# Altium PCB Kasli-DIOT.PCBDOC (part 21 of 21)
Units mm, origin at the board's own origin, x right, y up, seen from the top; angles counter-clockwise.
Board outline 222.34 x 100 mm, 10 copper layers (TopLayer, Layer 2, Layer 3, Layer 4, Layer 5, Layer 6, Layer 7, layer 8, Layer 9, BottomLayer), stack 1.564 mm thick; 974 components, 908 nets, 4662 pads, 2649 vias.
Unrouted connection lines stored in the file: 17.
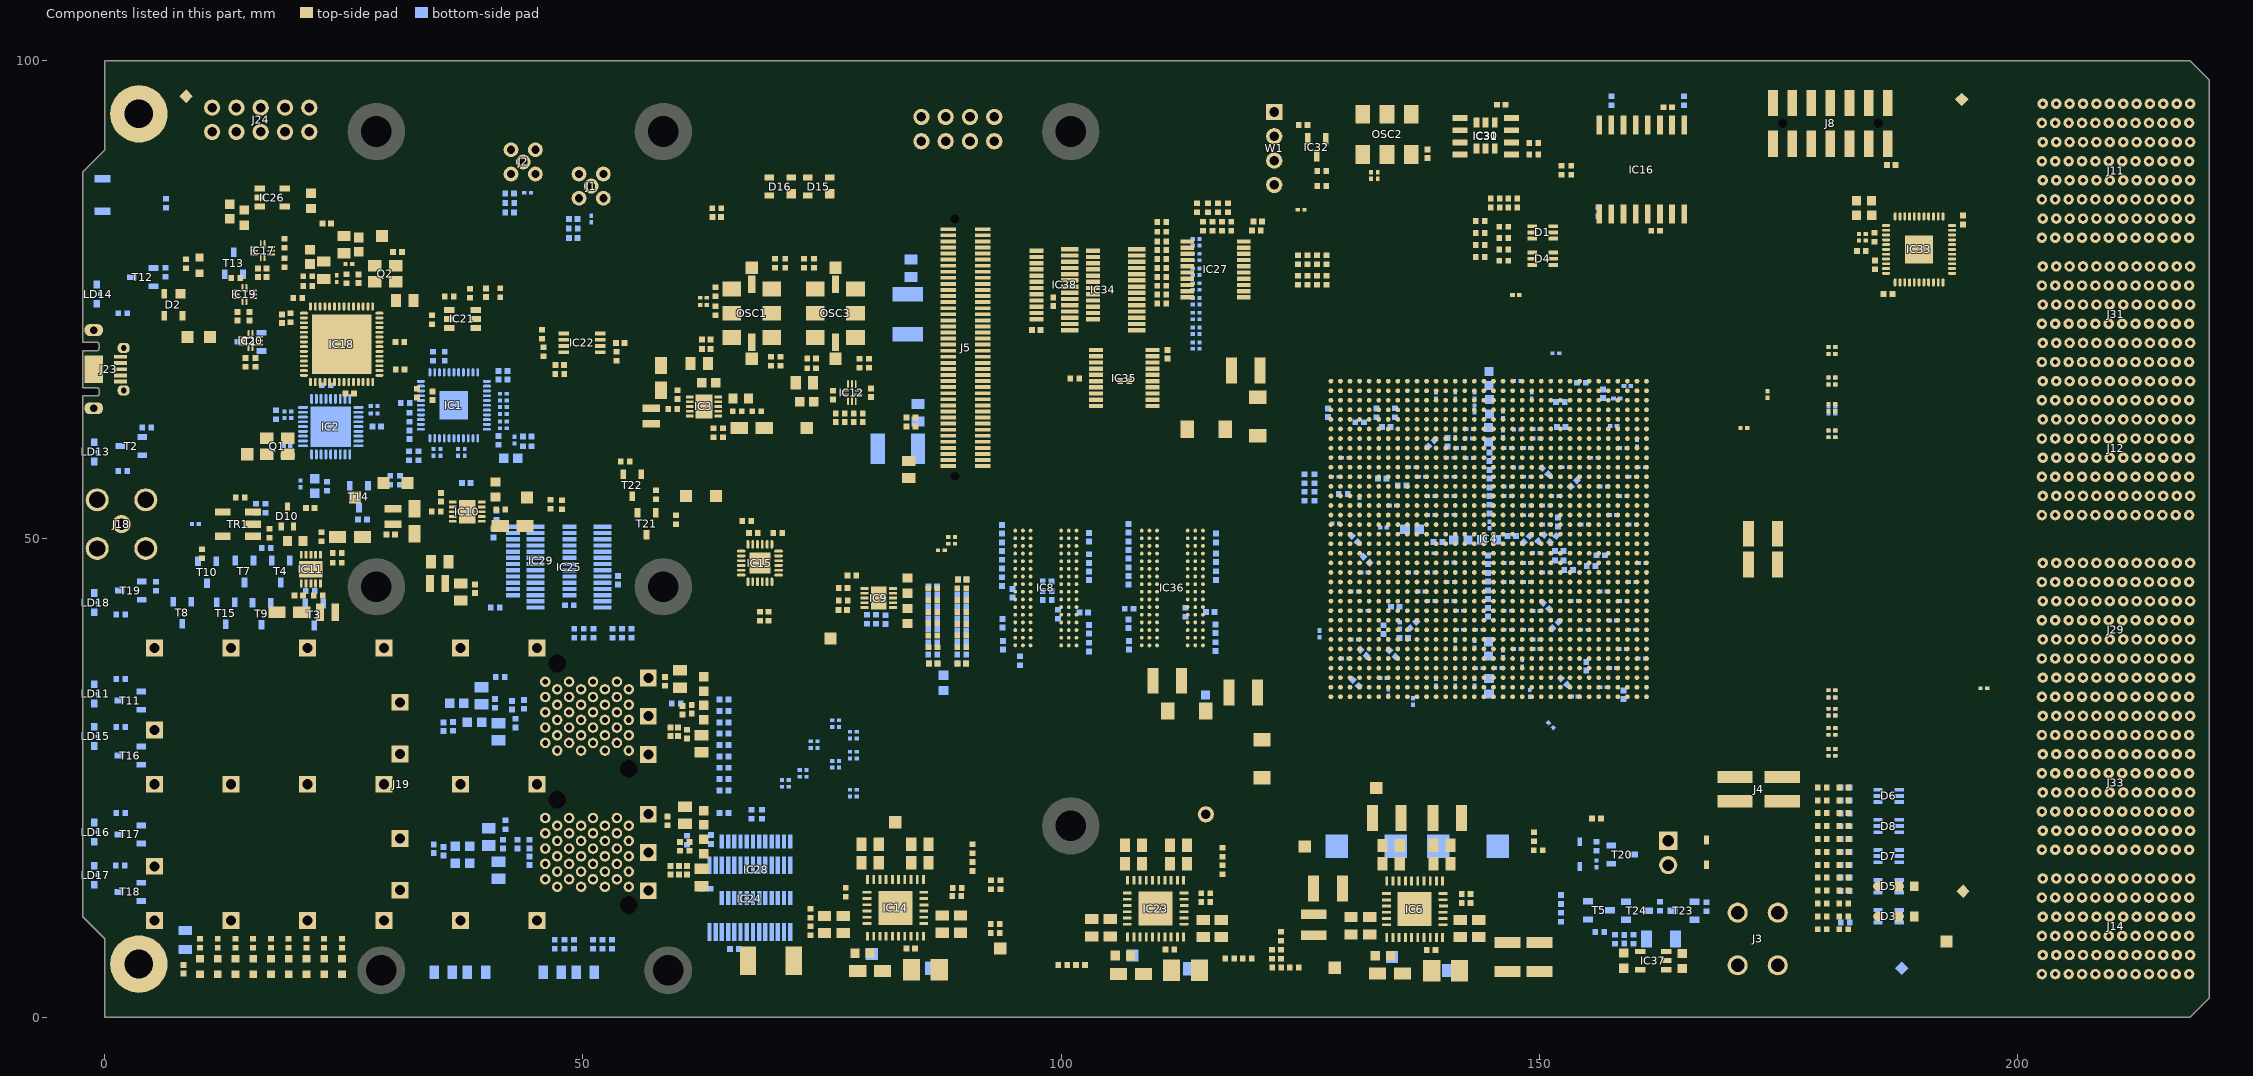
[diagram p29: the components of this part, seen from the top]

## Polygon pours and split planes (outlines as drawn) (continued)
P12V0 on Layer 6 "P12V0_L06_P444" (solid, pour order 444): 90.425,7.1 91.65,8.325 152.875,8.325 153.175,8.025 153.175,6.625 90.55,6.625 90.425,6.75
P5V0_CLK on Layer 6 "P5V0_CLK_L06_P409" (solid, pour order 409): 90.375,7.48 90.375,15.025 79.125,15.025 79.125,7.38
VCCBRAM on Layer 6 "VCCBRAM_L06_P443" (solid, remove dead copper, pour order 443): 149.7,57 149.7,54 151.725,54 151.725,37.562 152.65,36.175 152.65,9.225 152.05,8.625 145.025,8.625 143.7,9.95 143.7,57
no net on Layer 3 "Copper_balancing" (solid, pour order 452): 0,98 220.039,98 220.039,2.575 0,2.575 0,8.2 -2.3,10.5 -2.3,88.375 0,90.675
VCCAUX on Layer 3 "VCCAUX_L03_P432" (solid, pour order 432): 137.7,41.975 140.7,41.975 140.7,53 137.7,53
MGTAVTT_G10 on Layer 3 "MGTAVTT_G10_L03_P425" (solid, pour order 425): 138.7,38.325 138.7,33 151.75,33 151.75,38.375
no net on Layer 5 "Copper_balancing" (solid, pour order 453): 0,98.675 219.364,98.675 220.039,98 220.039,2.575 0,2.575 0,8.2 -2.3,10.5 -2.3,88.375 0,90.675
MGTAVTT_G11 on Layer 5 "MGTAVTT_G11_L05_P433" (solid, pour order 433): 138.7,67 138.7,61 150.7,61 150.556,61.144 150.556,67.022
P2V5 on Layer 2 (split plane): 170 vertices, not listed, extent -1.79,0.51 219.528,99.489
P1V5 on Layer 2 (split plane): 123.07,53.188 123.103,53.166 123.142,53.158 135.751,53.158 137.223,51.686 137.223,47.499 136.981,47.257 136.959,47.224 136.951,47.185 136.951,44.395 136.951,43.896 135.199,42.144 135.177,42.11 135.169,42.071 135.169,40.064 135.003,39.897 134.981,39.864 134.973,39.825 134.973,37.817 134.258,37.102 127.625,37.102 127.586,37.094 127.553,37.072 126.158,35.677 112.15,35.677 82.792,35.677 79.577,38.892 79.577,44.333 83.302,48.058 90.235,48.058 90.274,48.066 90.307,48.088 95.417,53.198 108.4,53.198 108.439,53.206 108.472,53.228 110.992,55.748 120.51,55.748
P12V0 on Layer 2 (split plane): 176.798,12.216 176.798,6.9 176.805,6.848 176.825,6.799 176.857,6.757 177.282,6.332 177.324,6.3 177.373,6.28 177.425,6.273 219.528,6.273 219.528,2.211 217.828,0.51 69.602,0.51 69.602,6.491 71.984,8.873 143.25,8.873 143.302,8.88 143.351,8.9 143.393,8.932 151.754,17.293 171.721,17.293
MGTAVTT_G10 on Layer 2 (split plane): 149.97,38.261 149.97,38.061 149.973,38.045 149.973,35.102 146.05,35.102 146.011,35.094 145.978,35.072 139.983,29.077 117.867,29.077 117.527,29.417 117.527,30.233 119.017,31.723 136.2,31.723 136.239,31.731 136.272,31.753 138.747,34.228 138.769,34.261 138.777,34.3 138.777,35.528 139.47,36.221 147.023,36.221 147.062,36.229 147.095,36.251 149.117,38.273 149.958,38.273
MGTAVCC_G11 on Layer 2 (split plane): 149.598,61.958 149.598,60.042 148.658,59.102 139.292,59.102 138.997,59.397 138.964,59.419 138.925,59.427 116.992,59.427 115.752,60.667 115.752,62.233 117.017,63.498 148.058,63.498
MGTAVCC_G10 on Layer 2 (split plane): 146.257,40.978 146.29,40.956 146.329,40.948 149.97,40.948 149.97,38.477 149.075,38.477 149.036,38.469 149.003,38.447 146.981,36.425 139.428,36.425 139.389,36.417 139.356,36.395 138.603,35.642 138.581,35.609 138.573,35.57 138.573,34.342 136.158,31.927 118.975,31.927 118.936,31.919 118.903,31.897 117.383,30.377 113.367,30.377 112.252,31.492 112.252,35.473 126.2,35.473 126.239,35.481 126.272,35.503 127.667,36.898 134.3,36.898 134.339,36.906 134.372,36.928 135.147,37.703 135.169,37.736 135.177,37.775 135.177,39.783 135.344,39.949 135.366,39.982 135.373,40.021 135.373,40.586 138.56,40.586 138.599,40.594 138.632,40.616 139.048,41.032 146.202,41.032
GND on Layer 4 (split plane): 219.528,97.789 219.528,2.211 217.828,0.51 0.51,0.51 0.51,8.2 0.501,8.3 0.472,8.395 0.424,8.484 0.361,8.561 -1.79,10.711 -1.79,64.439 -0.76,64.439 -0.661,64.449 -0.603,64.467 -0.565,64.478 -0.491,64.509 -0.48,64.515 -0.403,64.556 -0.386,64.57 -0.326,64.619 -0.27,64.676 -0.217,64.74 -0.206,64.753 -0.186,64.791 -0.159,64.841 -0.128,64.915 -0.099,65.011 -0.093,65.074 -0.09,65.11 -0.09,65.15 -0.09,65.6 -0.09,65.64 -0.093,65.675 -0.099,65.739 -0.128,65.835 -0.159,65.909 -0.186,65.959 -0.206,65.997 -0.217,66.01 -0.27,66.074 -0.326,66.13 -0.376,66.172 -0.403,66.194 -0.441,66.214 -0.491,66.241 -0.565,66.272 -0.632,66.292 -0.661,66.301 -0.724,66.307 -0.76,66.31 -1.79,66.31 -1.79,69.189 -0.76,69.189 -0.661,69.199 -0.603,69.217 -0.565,69.228 -0.491,69.259 -0.48,69.265 -0.403,69.306 -0.386,69.32 -0.326,69.369 -0.27,69.426 -0.217,69.49 -0.206,69.503 -0.186,69.541 -0.159,69.591 -0.128,69.665 -0.099,69.761 -0.093,69.824 -0.09,69.86 -0.09,69.9 -0.09,70.35 -0.09,70.39 -0.093,70.425 -0.099,70.489 -0.128,70.585 -0.159,70.659 -0.186,70.709 -0.206,70.747 -0.217,70.76 -0.27,70.824 -0.326,70.88 -0.376,70.922 -0.403,70.944 -0.441,70.964 -0.491,70.991 -0.565,71.022 -0.632,71.042 -0.661,71.051 -0.724,71.057 -0.76,71.06 -1.79,71.06 -1.79,88.164 0.361,90.314 0.424,90.391 0.472,90.48 0.501,90.575 0.51,90.675 0.51,99.489 217.828,99.489
GND on Layer 9 (split plane): 219.528,97.789 219.528,2.211 217.828,0.51 0.51,0.51 0.51,8.2 0.501,8.3 0.472,8.395 0.424,8.484 0.361,8.561 -1.79,10.711 -1.79,64.439 -0.76,64.439 -0.661,64.449 -0.603,64.467 -0.565,64.478 -0.491,64.509 -0.48,64.515 -0.403,64.556 -0.386,64.57 -0.326,64.619 -0.27,64.676 -0.217,64.74 -0.206,64.753 -0.186,64.791 -0.159,64.841 -0.128,64.915 -0.099,65.011 -0.093,65.074 -0.09,65.11 -0.09,65.15 -0.09,65.6 -0.09,65.64 -0.093,65.675 -0.099,65.739 -0.128,65.835 -0.159,65.909 -0.186,65.959 -0.206,65.997 -0.217,66.01 -0.27,66.074 -0.326,66.13 -0.376,66.172 -0.403,66.194 -0.441,66.214 -0.491,66.241 -0.565,66.272 -0.632,66.292 -0.661,66.301 -0.724,66.307 -0.76,66.31 -1.79,66.31 -1.79,69.189 -0.76,69.189 -0.661,69.199 -0.603,69.217 -0.565,69.228 -0.491,69.259 -0.48,69.265 -0.403,69.306 -0.386,69.32 -0.326,69.369 -0.27,69.426 -0.217,69.49 -0.206,69.503 -0.186,69.541 -0.159,69.591 -0.128,69.665 -0.099,69.761 -0.093,69.824 -0.09,69.86 -0.09,69.9 -0.09,70.35 -0.09,70.39 -0.093,70.425 -0.099,70.489 -0.128,70.585 -0.159,70.659 -0.186,70.709 -0.206,70.747 -0.217,70.76 -0.27,70.824 -0.326,70.88 -0.376,70.922 -0.403,70.944 -0.441,70.964 -0.491,70.991 -0.565,71.022 -0.632,71.042 -0.661,71.051 -0.724,71.057 -0.76,71.06 -1.79,71.06 -1.79,88.164 0.361,90.314 0.424,90.391 0.472,90.48 0.501,90.575 0.51,90.675 0.51,99.489 217.828,99.489
VCCAUX on Layer 7 (split plane): 151.623,59.933 151.623,44.042 150.713,43.132 149.352,44.492 149.352,59 149.344,59.039 149.322,59.072 149.289,59.094 149.25,59.102 140.975,59.102 140.936,59.094 140.903,59.072 139.978,58.147 139.956,58.114 139.948,58.075 139.948,27.717 132.903,20.672 132.881,20.639 132.873,20.6 132.873,15.675 132.881,15.636 132.903,15.603 134.86,13.646 129.716,8.502 122.677,8.502 122.677,18.008 137.172,32.503 137.194,32.536 137.202,32.575 137.202,39.683 138.096,40.577 138.118,40.61 138.126,40.649 138.126,43.576 138.118,43.615 138.096,43.648 137.802,43.942 137.802,51.525 137.794,51.564 137.772,51.597 136.297,53.072 136.264,53.094 136.225,53.102 135.802,53.102 135.802,57.958 138.742,60.898 150.658,60.898
P1V0 on Layer 7 (split plane): 149.148,44.45 149.156,44.411 149.178,44.378 150.598,42.958 150.598,23.617 141.903,14.922 140.701,13.72 140.65,13.727 135.125,13.727 135.075,13.72 135.074,13.72 133.077,15.717 133.077,20.558 140.122,27.603 140.144,27.636 140.152,27.675 140.152,58.033 141.017,58.898 149.148,58.898
P2V5 on Layer 7 (split plane): 219.528,97.789 219.528,6.702 181.697,6.702 175.156,13.243 175.115,13.275 175.066,13.295 175.014,13.302 141.159,13.302 140.865,13.596 142.047,14.778 150.772,23.503 150.794,23.536 150.802,23.575 150.802,42.933 151.797,43.928 151.819,43.961 151.827,44 151.827,59.975 151.819,60.014 151.797,60.047 150.772,61.072 150.739,61.094 150.7,61.102 138.7,61.102 138.661,61.094 138.628,61.072 135.628,58.072 135.606,58.039 135.598,58 135.598,53 135.606,52.961 135.628,52.928 135.661,52.906 135.7,52.898 136.183,52.898 137.598,51.483 137.598,49.774 135.52,49.774 134.797,50.497 134.764,50.519 134.725,50.527 122.192,50.527 121.677,51.042 121.677,53.625 121.669,53.664 121.647,53.697 120.847,54.497 120.814,54.519 120.775,54.527 103.102,54.527 103.102,57.258 119.264,73.42 123.824,73.42 123.85,73.402 123.9,73.393 123.95,73.402 123.992,73.431 124.02,73.473 124.029,73.522 124.029,99.489 217.828,99.489
P12V0 on Layer 7 (split plane): 135.125,13.323 140.566,13.323 140.932,12.957 140.974,12.925 141.023,12.905 141.075,12.898 174.93,12.898 181.471,6.357 181.513,6.325 181.562,6.305 181.614,6.298 219.528,6.298 219.528,2.211 217.828,0.51 69.577,0.51 69.577,6.016 70.484,6.923 90.881,6.923 90.933,6.93 90.982,6.95 91.024,6.982 92.14,8.098 129.8,8.098 129.852,8.105 129.901,8.125 129.943,8.157 135.11,13.325
P1V5 on Layer 7 (split plane): 102.986,54.331 103.025,54.323 120.733,54.323 121.473,53.583 121.473,51 121.481,50.961 121.503,50.928 122.078,50.353 122.111,50.331 122.15,50.323 134.683,50.323 135.406,49.6 135.439,49.578 135.478,49.57 137.598,49.57 137.598,43.9 137.606,43.861 137.628,43.828 137.922,43.534 137.922,40.691 134.408,37.177 122.475,37.177 122.436,37.169 122.403,37.147 121.708,36.452 82.542,36.452 79.477,39.517 79.477,40.9 79.477,44.408 81.542,46.473 91.1,46.473 91.139,46.481 91.172,46.503 93.172,48.503 93.194,48.536 93.202,48.575 93.202,52.108 95.442,54.348 102.96,54.348
P3V3 on Layer 7 (split plane): 195 vertices, not listed, extent -1.79,0.51 136.998,99.489

## Keep-outs
KeepOutLayer:
  lines w0.1: 224.25,143.65 224.25,143.65 ; 224.25,143.65 224.25,143.65 ; 224.25,149.65 224.25,149.65 ; 224.25,149.65 224.25,149.65 ; 224.25,161.65 224.25,161.65 ; 224.25,161.65 224.25,161.65 ; 224.25,167.65 224.25,167.65 ; 224.25,167.65 224.25,167.65 ; 224.25,179.65 224.25,179.65 ; 224.25,179.65 224.25,179.65 ; 224.25,185.65 224.25,185.65 ; 224.25,185.65 224.25,185.65 ; 224.25,197.65 224.25,197.65 ; 224.25,197.65 224.25,197.65 ; 224.25,203.65 224.25,203.65 ; 224.25,203.65 224.25,203.65 ; 224.25,215.65 224.25,215.65 ; 224.25,215.65 224.25,215.65 ; 224.25,221.65 224.25,221.65 ; 224.25,221.65 224.25,221.65 ; 224.25,233.65 224.25,233.65 ; 224.25,233.65 224.25,233.65 ; 224.25,239.65 224.25,239.65 ; 224.25,239.65 224.25,239.65 ; 224.25,251.65 224.25,251.65 ; 224.25,251.65 224.25,251.65 ; 224.25,257.65 224.25,257.65 ; 224.25,257.65 224.25,257.65 ; 224.25,139.65 224.25,139.65 ; 224.25,147.65 224.25,147.65 ; 224.25,151.65 224.25,151.65 ; 224.25,157.65 224.25,157.65 ; 224.25,165.65 224.25,165.65 ; 224.25,169.65 224.25,169.65 ; 224.25,175.65 224.25,175.65 ; 224.25,183.65 224.25,183.65 ; 224.25,187.65 224.25,187.65 ; 224.25,193.65 224.25,193.65 ; 224.25,201.65 224.25,201.65 ; 224.25,205.65 224.25,205.65 ; 224.25,211.65 224.25,211.65 ; 224.25,219.65 224.25,219.65 ; 224.25,223.65 224.25,223.65 ; 224.25,229.65 224.25,229.65 ; 224.25,237.65 224.25,237.65 ; 224.25,241.65 224.25,241.65 ; 224.25,247.65 224.25,247.65 ; 224.25,255.65 224.25,255.65 ; 224.25,259.65 224.25,259.65 ; 224.25,265.65 224.25,265.65
  lines w0.2: 7.7,2.975 26.525,2.975 ; 31.1,2.975 33.3,2.975 ; 35.225,2.975 44.925,2.975 ; 46.8,2.975 56.95,2.975
  lines w0.203: -0.2,11.2 1.2,9.8 1.675,9.325 ; 6.975,91.075 6.975,98.35 220.05,98.35 220.05,3.023 ; 60.875,2.977 220.05,2.977

## Other copper
TopLayer:
  rectangle net P3V3: 119.708,83.7 120.981,84.358
  rectangle net GND: 145.324,3.45 151.35,4.49
  region net GND: 129.631,14.975 129.631,12.017 131.031,12.017 131.031,14.975
  rectangle net VCCAUX: 124.6,9.925 128.2,15.175
  rectangle net GND: 141.192,10.1 144.15,11.5
  rectangle net GND: 140.1,15.25 144.525,22.5
  rectangle net GND: 129.95,15.175 134.3,22.475
  rectangle net P1V0: 134.8,15.325 139.65,22.5
  rectangle net GND: 21.5,59.625 25.775,63.775
  rectangle net GND: 35.05,62.475 37.95,65.45
  pour cut-out: 81.95,14.95 83.4,14.95 83.4,14.066 83.387,14.053 81.952,14.053
  text ".Layer_Name" at 65.192,-19.002 h1.91 r90
  text "1" at 64.092,-23.357 h2.54
Layer 3:
  text "Signal" at 75.352,-19.002 h1.91 r90
  text "3" at 74.252,-23.357 h2.54
Layer 5:
  text "Signal" at 85.522,-19.002 h1.91 r90
  text "5" at 84.422,-23.357 h2.54
Layer 6:
  text "Signal" at 90.9,-19.002 h1.91 r90
  text "6" at 89.3,-23.3 h2.54
layer 8:
  text "Signal" at 100.8,-19.002 h1.91 r90
  text "8" at 99.5,-23.2 h2.54
BottomLayer:
  rectangle net GND: 78.993,42.545 82.8,45.475
  rectangle net P3V3_fused: 86.1,61.55 90.2,63.1
  rectangle net GND: 20.2,45.95 22.85,47.75
  rectangle net GND: 36.85,51.35 38.975,54.175
  rectangle net GND: 142.6,15.9 146.95,19.325
  rectangle net GND: 127.425,16.05 132.05,19.375
  rectangle net P1V0: 133.5,15.425 141.225,21.275
  rectangle net GND: 21.09,66.662 28.758,73.847
  rectangle net GND: 66.869,45.785 70.2,49.325
  rectangle net GND: 61.806,62.67 63.467,65.056
  rectangle net GND: 187.223,78.1 192.314,82.606
  rectangle net GND: 135.151,9.481 138.78,13.097
  rectangle net GND: 108.031,9.546 111.701,13.169
  rectangle net GND: 80.893,9.582 84.498,13.258
  text ".Layer_Name" at 110.922,-19.002 h1.91 r90
  text "10" at 108.522,-23.357 h2.54
Layer 4 (plane layer: these items are gaps in the copper):
  text "GND" at 80.432,-19.002 h1.91 r90
  text "4" at 79.332,-23.357 h2.54
Layer 9 (plane layer: these items are gaps in the copper):
  text "GND" at 105.842,-19.002 h1.91 r90
  text "9" at 104.742,-23.357 h2.54
Layer 7 (plane layer: these items are gaps in the copper):
  lines w0.2: 122.575,8.325 122.575,18.05 137.1,32.575 137.1,39.725 ; 123.9,73.522 119.222,73.522 103,57.3 103,54.45 ; 135.025,13.525 135.125,13.525 132.975,15.675 132.975,20.6 140.05,27.675 140.05,58.075 140.975,59 149.25,59 149.25,44.45 150.7,43 ; 137.7,49.672 135.478,49.672 134.725,50.425 122.15,50.425 121.575,51 121.575,53.625 120.775,54.425 103.025,54.425 103,54.45 ; 140.65,13.525 141.975,14.85 150.7,23.575 150.7,43 ; 103,54.45 95.4,54.45 93.1,52.15 93.1,48.575 91.1,46.575 81.5,46.575 79.375,44.45 79.375,40.9 79.375,39.475 82.5,36.35 121.75,36.35 122.475,37.075 128.625,37.075 131.625,37.075 134.45,37.075 138.024,40.649 138.024,43.576 137.7,43.9 137.7,51.525 136.225,53 135.7,53 135.7,58 138.7,61 150.7,61 151.725,59.975 151.725,44 150.725,43 150.7,43
  lines w0.254: 123.9,73.522 123.9,99.5
  lines w0.4: 69.375,-0.15 69.375,6.1 70.4,7.125 90.881,7.125 92.056,8.3 117.019,8.3 129.8,8.3 135.025,13.525 ; 135.125,13.525 140.65,13.525 141.075,13.1 175.014,13.1 181.614,6.5 220.05,6.5
  text "PWR" at 95.6,-19.002 h1.91 r90
  text "7" at 94.1,-23.2 h2.54
Layer 2 (plane layer: these items are gaps in the copper):
  lines w0.2: 112.15,35.575 112.15,31.45 113.325,30.275 117.425,30.275 ; 135.29,40.688 138.56,40.688 139.006,41.134 146.245,41.134 146.329,41.05 150.072,41.05 ; 150.072,38.061 150.072,41.061 ; 117.425,30.275 117.425,29.375 117.825,28.975 118.875,28.975 140.025,28.975 146.05,35 150.075,35 150.075,38.3 150,38.375 149.075,38.375 147.023,36.323 139.428,36.323 138.675,35.57 138.675,34.3 136.2,31.825 123.15,31.825 118.975,31.825 117.425,30.275 ; 79.475,38.85 82.75,35.575 126.2,35.575 127.625,37 134.3,37 135.075,37.775 135.075,39.825 135.271,40.021 135.271,42.071 137.053,43.853 137.053,44.395 137.053,47.185 137.325,47.457 137.325,51.728 135.793,53.26 123.142,53.26 120.552,55.85 110.95,55.85 108.4,53.3 95.375,53.3 90.235,48.16 83.26,48.16 79.475,44.375 79.475,38.85 ; 115.65,60.625 115.65,62.275 116.975,63.6 123.25,63.6 148.1,63.6 149.7,62 149.7,60 148.7,59 139.25,59 138.925,59.325 123.75,59.325 116.95,59.325 115.65,60.625
  lines w0.4: 76.65,0.05 69.4,0.05 69.4,6.575 71.9,9.075 143.25,9.075 151.67,17.495 171.805,17.495 177,12.3 177,6.9 177.425,6.475 220.1,6.475
  text "PWR" at 70.272,-19.002 h1.91 r90
  text "2" at 69.172,-23.357 h2.54

## Silkscreen, mask and mechanical layers (free items; w line width, h text height)
TopOverlay:
  drawing of 282 lines, arcs and shapes, not listed
  text "FPGA JTAG" at 176.125,97.5 h1
  text "DC/DC" at 119.875,96.325 h1
  text "P2V5" at 85.625,95.625 h0.7 r90
  text "TP3" at 88.283,95.625 h0.7 r90
  text "TP2" at 90.942,95.625 h0.7 r90
  text "GND" at 93.6,95.625 h0.7 r90
  text "P3V3" at 118.102,94.242 h0.7
  text "SDA" at 118.102,91.567 h0.7
  text "FPGA / Testpoints / (2.5V IOLVL)" at 75.35,91.175 h0.7
  text "SCL" at 118.102,88.942 h0.7
  text "GND" at 85.35,87.425 h0.7 r90
  text "TP1" at 88.008,87.425 h0.7 r90
  text "TP0" at 90.667,87.425 h0.7 r90
  text "P3V3" at 93.325,87.425 h0.7 r90
  text "Variant" at 143.35,87.05 h1
  text "GND" at 118.102,86.534 h0.7
  text "0" at 142.95,85.4 h1
  text "1" at 143.15,83.837 h1
  text "Main" at 65.9,81.35 h1
  text "Helper" at 73.65,81.35 h1
  text "SCL" at 66.65,79.85 h0.8
  text "SCL" at 75.4,79.85 h0.8
  text "Kasli-DIOT" at 166.76,79.78 h1.6
  text "3" at 123.625,73.95 h1
  text "2" at 125.053,73.95 h1
  text "1" at 126.48,73.95 h1
  text "0" at 127.575,73.95 h1
  text "2024 / v1.0" at 169.725,73.625 h3
  text "PCB_VER" at 122.584,72.682 h1
  text "Rx" at 11.571,68.012 h1 r90
  text "Tx" at 9.221,67.962 h1 r90
  text "SDA" at 66.65,66.85 h0.8
  text "SDA" at 75.375,66.85 h0.8
  text "P2V5" at 71.1,59 h1
  text "Shared I2C" at 25.65,58.35 h1
  text "LDO" at 71.9,57.9 h1
  text "3V3" at 61.068,57.325 h1
  text "SW" at 64.568,57.325 h1
  text "SDA" at 27.15,56.85 h1
  text "SCL" at 30.65,56.85 h1
  text "I2C" at 57.568,56.825 h1
  text "P3V3 / LDO2" at 41.5,56.349 h1
  text "SDA" at 59.318,55.825 h1
  text "SCL" at 62.568,55.825 h1
  text "P3V3 LDO1" at 16.65,54.85 h1
  text "P3V3" at 77.275,39.2 h0.7
  text "Licensed under CERN-OHL-W v2 or later / https://github.com/sinara-hw/KASLI-DIOT" at 187.85,27.25 h1.5 r90
  text "DC/DC /  force disable" at 167.39,27.224 h0.7
  text "P1V0" at 131.786,25.247 h0.7
  text "IC23" at 164.7,24.8 h0.7
  text "GND" at 114.175,22.8 h0.7
  text "IC14" at 164.7,22.3 h0.7
  text "P2V5" at 81.35,21.6 h0.7
  text "PWM" at 162.2,21.175 h0.7
  text "P12V0" at 162.2,20 h0.7
  text "P1V2" at 124.2,19.275 h0.7
  text "FAN" at 160.119,16.2 h0.7 r90
  text "P12V0 / GND" at 169.007,14.863 h3
  text "CPCIS SCL" at 185.025,14.55 h0.6
  text "CPCIS SDA" at 185.025,11.475 h0.6
  text "P12V0" at 187.3,7.6 h0.7
  text "WUT ISE 2024" at 35.85,7.425 h1.02
  text "Designed by FS" at 37.11,6.5 h0.6
  text "P1V5" at 92.325,5.275 h0.7
  text "1V0" at 35.36,3.443 h0.8 r90
  text "1V2" at 37.11,3.443 h0.8 r90
  text "1V5" at 38.96,3.443 h0.8 r90
  text "1V8" at 40.86,3.443 h0.8 r90
  text "2V5" at 42.76,3.443 h0.8 r90
  text "3V3" at 44.61,3.443 h0.8 r90
  text "LED" at 49.86,3.393 h0.7 r90
  text "P1V8" at 127.275,3.3 h0.7
  text "PWR / GOOD" at 34.11,3.193 h0.7 r90
  text "12V0" at 46.36,2.943 h0.8 r90
  text "USER" at 50.76,2.893 h0.7 r90
  text "FPGA / DONE" at 48.758,2.693 h0.7 r90
  text ".Layer_Name" at 62.425,-28.275 h1.91
BottomOverlay:
  drawing of 272 lines, arcs and shapes, not listed
  text "Licensed under CERN-OHL-W v2 or later / https://github.com/sinara-hw/KASLI-DIOT" at 175.853,85.9 h1.5
  text "Kasli-DIOT" at 74.85,56.325 h1.5
  text "2024 / v1.0" at 74.15,51.05 h3
  text ".Layer_Name" at 112.725,-27.475 h1.91
TopPaste:
  text ".Layer_Name" at 66.525,-31.275 h1.91
BottomPaste:
  text ".Layer_Name" at 108.825,-30.475 h1.91
TopSolder:
  rectangle: 0.623,0.603 219.419,2.225
  region: 206.037,51.755 206.037,48.255 220,48.255 220,51.755
  region: 206.037,51.755 206.037,48.255 220,48.255 220,51.755
  text ".Layer_Name" at 70.175,-34.375 h1.91
BottomSolder:
  rectangle: 80.881,9.617 84.472,13.236
  rectangle: 108.081,9.542 111.672,13.161
  rectangle: 135.168,9.484 138.76,13.103
  rectangle: 0.623,0.603 219.419,2.4
  region: 206.037,51.755 206.037,48.255 220,48.255 220,51.755
  region: 206.037,51.755 206.037,48.255 220,48.255 220,51.755
  text ".Layer_Name" at 104.975,-33.575 h1.91
Mechanical1:
  drawing of 177 lines, arcs and shapes, not listed
  text "Layer" at 46.844,179.264 h1.52
  text "Name" at 57.255,179.264 h1.52
  text "Material" at 79.347,179.264 h1.52
  text "Thickness" at 101.185,179.264 h1.52
  text "Gerber" at 117.691,179.264 h1.52
  text "TopOverlay" at 57.255,176.216 h1.52
  text "GTO" at 117.691,176.216 h1.52
  text "TopSolder" at 57.255,173.168 h1.52
  text "Solder Resist" at 79.347,173.168 h1.52
  text "0,022mm" at 101.185,173.168 h1.52
  text "GTS" at 117.691,173.168 h1.52
  text "1" at 46.844,170.12 h1.52
  text "TopLayer" at 57.255,170.12 h1.52
  text "0,035mm" at 101.185,170.12 h1.52
  text "GTL" at 117.691,170.12 h1.52
  text "Dielectric1" at 57.255,167.072 h1.52
  text "FR-4" at 79.347,167.072 h1.52
  text "0,100mm" at 101.185,167.072 h1.52
  text "2" at 46.844,164.024 h1.52
  text "Layer 2" at 57.255,164.024 h1.52
  text "0,018mm" at 101.185,164.024 h1.52
  text "GP1" at 117.691,164.024 h1.52
  text "Dielectric2" at 57.255,160.976 h1.52
  text "FR-4" at 79.347,160.976 h1.52
  text "0,200mm" at 101.185,160.976 h1.52
  text "3" at 46.844,157.928 h1.52
  text "Layer 3" at 57.255,157.928 h1.52
  text "0,018mm" at 101.185,157.928 h1.52
  text "G1" at 117.691,157.928 h1.52
  text "Dielectric3" at 57.255,154.88 h1.52
  text "FR-4" at 79.347,154.88 h1.52
  text "0,100mm" at 101.185,154.88 h1.52
  text "4" at 46.844,151.832 h1.52
  text "Layer 4" at 57.255,151.832 h1.52
  text "0,018mm" at 101.185,151.832 h1.52
  text "GP2" at 117.691,151.832 h1.52
  text "Dielectric4" at 57.255,148.784 h1.52
  text "FR-4" at 79.347,148.784 h1.52
  text "0,100mm" at 101.185,148.784 h1.52
  text "5" at 46.844,145.736 h1.52
  text "Layer 5" at 57.255,145.736 h1.52
  text "0,018mm" at 101.185,145.736 h1.52
  text "G2" at 117.691,145.736 h1.52
  text "Dielectric5" at 57.255,142.688 h1.52
  text "FR-4" at 79.347,142.688 h1.52
  text "0,350mm" at 101.185,142.688 h1.52
  text "6" at 46.844,139.64 h1.52
  text "Layer 6" at 57.255,139.64 h1.52
  text "0,018mm" at 101.185,139.64 h1.52
  text "G3" at 117.691,139.64 h1.52
  text "Dielectric6" at 57.255,136.592 h1.52
  text "FR-4" at 79.347,136.592 h1.52
  text "0,100mm" at 101.185,136.592 h1.52
  text "7" at 46.844,133.544 h1.52
  text "Layer 7" at 57.255,133.544 h1.52
  text "0,018mm" at 101.185,133.544 h1.52
  text "GP3" at 117.691,133.544 h1.52
  text "Dielectric7" at 57.255,130.496 h1.52
  text "FR-4" at 79.347,130.496 h1.52
  text "0,100mm" at 101.185,130.496 h1.52
  text "Impedance requirements for Kasli-DIOT  / All dimensions are in mm" at 160.4,129.3 h1.52
  text "8" at 46.844,127.448 h1.52
  text "layer 8" at 57.255,127.448 h1.52
  text "0,018mm" at 101.185,127.448 h1.52
  text "G4" at 117.691,127.448 h1.52
  text "D100" at 173.2,127.1 h1.52
  text "Gerber" at 160.654,127.054 h1.52
  text "D80" at 195.7,126.951 h1.52
  text "SE40" at 210.7,126.951 h1.52
  text "Layer" at 160.654,125.062 h1.52
  text "(Width/gap)" at 171.154,124.921 h1.1
  text "(Width/gap)" at 193.654,124.921 h1.1
  text "(Width)" at 210.654,124.554 h1.1
  text "Dielectric8" at 57.255,124.4 h1.52
  text "FR-4" at 79.347,124.4 h1.52
  text "0,200mm" at 101.185,124.4 h1.52
  text "0.095/0.127" at 171.154,122.554 h1.3
  text "0.22" at 212.154,122.554 h1.3
  text "GTL" at 160.7,122.1 h1.52
  text "9" at 46.844,121.352 h1.52
  text "Layer 9" at 57.255,121.352 h1.52
  text "0,018mm" at 101.185,121.352 h1.52
  text "GP4" at 117.691,121.352 h1.52
  text "0.075/0.127" at 171.154,120.054 h1.3
  text "0.12/0.09" at 193.654,120.054 h1.3
  text "0.15" at 212.154,120.054 h1.3
  text "G1" at 160.7,119.6 h1.52
  text "Dielectric9" at 57.255,118.304 h1.52
  text "FR-4" at 79.347,118.304 h1.52
  text "0,100mm" at 101.185,118.304 h1.52
  text "0.08/0.127" at 171.154,117.554 h1.3
  text "0.11/0/1" at 193.654,117.554 h1.3
  text "0.16" at 212.154,117.554 h1.3
  text "G2" at 160.7,117.1 h1.52
  text "10" at 46.844,115.256 h1.52
  text "BottomLayer" at 57.255,115.256 h1.52
  text "0,035mm" at 101.185,115.256 h1.52
  text "GBL" at 117.691,115.256 h1.52
  text "0.08/0.127" at 171.154,115.054 h1.3
  text "0.12/0.1" at 193.654,115.054 h1.3
  text "0.16" at 212.154,115.054 h1.3
  text "G3" at 160.7,114.6 h1.52
  text "0.075/0.127" at 171.154,112.554 h1.3
  text "0.11/0.1" at 193.654,112.554 h1.3
  text "0.15" at 212.154,112.554 h1.3
  text "BottomSolder" at 57.255,112.208 h1.52
  text "Solder Resist" at 79.347,112.208 h1.52
  text "0,022mm" at 101.185,112.208 h1.52
  text "GBS" at 117.691,112.208 h1.52
  text "G4" at 160.7,112.1 h1.52
  text "0.095/0.127" at 171.154,110.054 h1.3
  text "0.12/0.09" at 193.654,110.054 h1.3
  text "GBL" at 160.7,109.6 h1.52
  text "BottomOverlay" at 57.255,109.16 h1.52
  text "GBO" at 117.691,109.16 h1.52
  text "Total board thickness:" at 46.844,106.112 h1.52
  text "1,609mm" at 101.185,106.112 h1.52
Mechanical13:
  lines w0.1: -2.54,0 -2.54,102.108
DrillDrawing:
  circle w0.254: c247.956,36.292 r0.847
  circle w0.254: c247.956,32.482 r0.508
  circle w0.254: c247.956,32.482 r0.847
  lines w0.254: 247.109,16.395 248.803,16.395 248.803,18.088 247.109,18.088 247.109,16.395 ; 247.109,21.052 247.956,20.205 248.803,21.052 247.956,21.898 247.109,21.052 ; 247.109,24.438 247.533,24.438 247.956,24.015 248.379,24.438 248.803,24.438 248.379,24.862 248.803,25.285 248.379,25.285 247.956,25.708 247.533,25.285 247.109,25.285 247.533,24.862 247.109,24.438 ; 247.109,48.568 248.803,48.568 247.956,46.875 247.109,48.568 ; 247.109,54.495 247.956,54.918 248.803,54.495 248.379,55.342 248.803,56.188 247.956,55.765 247.109,56.188 247.533,55.342 247.109,54.495 ; 247.109,58.305 247.109,58.728 247.533,59.152 247.109,59.575 247.109,59.998 247.533,59.998 247.956,59.575 248.379,59.998 248.803,59.998 248.803,59.575 248.379,59.152 248.803,58.728 248.803,58.305 248.379,58.305 247.956,58.728 247.533,58.305 247.109,58.305 ; 247.109,62.115 247.109,62.538 247.533,62.962 247.109,63.385 247.109,63.808 247.533,63.808 247.956,63.385 248.379,63.808 248.803,63.808 248.803,63.385 248.379,62.962 248.803,62.538 248.803,62.115 248.379,62.115 247.956,62.538 247.533,62.115 247.109,62.115 ; 247.109,65.925 248.803,65.925 248.803,67.618 247.109,67.618 247.109,65.925 ; 247.109,70.158 247.533,70.158 247.533,69.735 248.379,69.735 248.379,70.158 248.803,70.158 248.803,71.005 248.379,71.005 248.379,71.428 247.533,71.428 247.533,71.005 247.109,71.005 247.109,70.158 ; 247.109,81.588 247.533,81.588 247.956,81.165 248.379,81.588 248.803,81.588 248.379,82.012 248.803,82.435 248.379,82.435 247.956,82.858 247.533,82.435 247.109,82.435 247.533,82.012 247.109,81.588 ; 247.448,24.608 247.702,24.608 247.956,24.354 248.21,24.608 248.464,24.608 248.21,24.862 248.464,25.116 248.21,25.116 247.956,25.37 247.702,25.116 247.448,25.116 247.702,24.862 247.448,24.608 ; 247.448,58.644 247.448,58.898 247.702,59.152 247.448,59.406 247.448,59.66 247.702,59.66 247.956,59.406 248.21,59.66 248.464,59.66 248.464,59.406 248.21,59.152 248.464,58.898 248.464,58.644 248.21,58.644 247.956,58.898 247.702,58.644 247.448,58.644 ; 247.448,66.264 248.464,66.264 248.464,67.28 247.448,67.28 247.448,66.264
  lines w0.381: 245.59,15.252 596.671,15.252 ; 245.59,83.832 596.671,83.832 ; 259.583,11.442 259.583,87.642 ; 276.342,11.442 276.342,87.642 ; 305.544,11.442 305.544,87.642 ; 318.393,11.442 318.393,87.642 ; 337.031,11.442 337.031,87.642 ; 372.073,11.442 372.073,87.642 ; 387.055,11.442 387.055,87.642 ; 414.733,11.442 414.733,87.642 ; 443.681,11.442 443.681,87.642 ; 465.366,11.442 465.366,87.642 ; 499.24,11.442 499.24,87.642 ; 533.114,11.442 533.114,87.642 ; 561.045,11.442 561.045,87.642 ; 245.59,11.442 596.671,11.442 596.671,87.642 245.59,87.642 245.59,11.442
  text "Symbol" at 247.876,84.975 h1.83
  text "Count" at 260.726,84.975 h1.83
  text "Hole Size" at 277.485,84.975 h1.83
  text "Plated" at 306.687,84.975 h1.83
  text "Hole Type" at 319.536,84.975 h1.83
  text "Drill Layer Pair" at 338.174,84.975 h1.83
  text "Via/Pad" at 373.216,84.975 h1.83
  text "Pad Shape" at 388.198,84.975 h1.83
  text "Template" at 415.876,84.975 h1.83
  text "Description" at 444.824,84.975 h1.83
  text "Hole Tolerance (+)" at 466.509,84.975 h1.83
  text "Hole Tolerance (-)" at 500.383,84.975 h1.83
  text "Hole Length" at 534.257,84.975 h1.83
  text "Routed Path Length" at 562.188,84.975 h1.83
  text "2" at 260.726,81.165 h1.52
  text "0.600mm (23.62mil)" at 277.485,81.165 h1.52
  text "PTH" at 306.687,81.165 h1.52
  text "Slot" at 319.536,81.165 h1.52
  text "TopLayer - BottomLayer" at 338.174,81.165 h1.52
  text "Pad" at 373.216,81.165 h1.52
  text "Rounded Rectangle" at 388.198,81.165 h1.52
  text "r105_125h60_85r80" at 415.876,81.165 h1.52
  text "0.850mm (33.47mil)" at 534.257,81.165 h1.52
  text "0.250mm (9.84mil)" at 562.188,81.165 h1.52
  text "2" at 260.726,77.355 h1.52
  text "0.800mm (31.50mil)" at 277.485,77.355 h1.52
  text "PTH" at 306.687,77.355 h1.52
  text "Slot" at 319.536,77.355 h1.52
  text "TopLayer - BottomLayer" at 338.174,77.355 h1.52
  text "Pad" at 373.216,77.355 h1.52
  text "Rounded Rectangle" at 388.198,77.355 h1.52
  text "r123_190h80_150r80" at 415.876,77.355 h1.52
  text "1.500mm (59.06mil)" at 534.257,77.355 h1.52
  text "0.700mm (27.56mil)" at 562.188,77.355 h1.52
  text "L" at 247.138,77.101 h1.69
  text "2" at 260.726,73.545 h1.52
  text "0.900mm (35.43mil)" at 277.485,73.545 h1.52
  text "NPTH" at 306.687,73.545 h1.52
  text "Round" at 319.536,73.545 h1.52
  text "TopLayer - BottomLayer" at 338.174,73.545 h1.52
  text "Pad" at 373.216,73.545 h1.52
  text "Rounded" at 388.198,73.545 h1.52
  text "c50hn90m70" at 415.876,73.545 h1.52
  text "-" at 534.257,73.545 h1.52
  text "-" at 562.188,73.545 h1.52
  text "C" at 247.138,73.291 h1.69
  text "2" at 260.726,69.735 h1.52
  text "1.000mm (39.37mil)" at 277.485,69.735 h1.52
  text "NPTH" at 306.687,69.735 h1.52
  text "Round" at 319.536,69.735 h1.52
  text "TopLayer - BottomLayer" at 338.174,69.735 h1.52
  text "Pad" at 373.216,69.735 h1.52
  text "Rounded" at 388.198,69.735 h1.52
  text "c50hn100m75" at 415.876,69.735 h1.52
  text "-" at 534.257,69.735 h1.52
  text "-" at 562.188,69.735 h1.52
  text "2" at 260.726,65.925 h1.52
  text "3.000mm (118.11mil)" at 277.485,65.925 h1.52
  text "PTH" at 306.687,65.925 h1.52
  text "Round" at 319.536,65.925 h1.52
  text "TopLayer - BottomLayer" at 338.174,65.925 h1.52
  text "Pad" at 373.216,65.925 h1.52
  text "Rounded" at 388.198,65.925 h1.52
  text "c600h300" at 415.876,65.925 h1.52
  text "-" at 534.257,65.925 h1.52
  text "-" at 562.188,65.925 h1.52
  text "3" at 260.726,62.115 h1.52
  text "1.200mm (47.24mil)" at 277.485,62.115 h1.52
  text "PTH" at 306.687,62.115 h1.52
  text "Round" at 319.536,62.115 h1.52
  text "TopLayer - BottomLayer" at 338.174,62.115 h1.52
  text "Pad" at 373.216,62.115 h1.52
  text "(Mixed)" at 388.198,62.115 h1.52
  text "(Mixed)" at 415.876,62.115 h1.52
  text "-" at 534.257,62.115 h1.52
  text "-" at 562.188,62.115 h1.52
  text "4" at 260.726,58.305 h1.52
  text "1.400mm (55.12mil)" at 277.485,58.305 h1.52
  text "PTH" at 306.687,58.305 h1.52
  text "Round" at 319.536,58.305 h1.52
  text "TopLayer - BottomLayer" at 338.174,58.305 h1.52
  text "Pad" at 373.216,58.305 h1.52
  text "Rounded" at 388.198,58.305 h1.52
  text "c210h140" at 415.876,58.305 h1.52
  text "-" at 534.257,58.305 h1.52
  text "-" at 562.188,58.305 h1.52
  text "4" at 260.726,54.495 h1.52
  text "1.700mm (66.93mil)" at 277.485,54.495 h1.52
  text "PTH" at 306.687,54.495 h1.52
  text "Round" at 319.536,54.495 h1.52
  text "TopLayer - BottomLayer" at 338.174,54.495 h1.52
  text "Pad" at 373.216,54.495 h1.52
  text "Rounded" at 388.198,54.495 h1.52
  text "c240h170" at 415.876,54.495 h1.52
  text "-" at 534.257,54.495 h1.52
  text "-" at 562.188,54.495 h1.52
  text "4" at 260.726,50.685 h1.52
  text "1.850mm (72.84mil)" at 277.485,50.685 h1.52
  text "NPTH" at 306.687,50.685 h1.52
  text "Round" at 319.536,50.685 h1.52
  text "TopLayer - BottomLayer" at 338.174,50.685 h1.52
  text "Pad" at 373.216,50.685 h1.52
  text "Rounded" at 388.198,50.685 h1.52
  text "c50hn185" at 415.876,50.685 h1.52
  text "-" at 534.257,50.685 h1.52
  text "-" at 562.188,50.685 h1.52
  text "B" at 247.138,50.431 h1.69
  text "7" at 260.726,46.875 h1.52
  text "0.500mm (19.69mil)" at 277.485,46.875 h1.52
  text "PTH" at 306.687,46.875 h1.52
  text "Round" at 319.536,46.875 h1.52
  text "TopLayer - BottomLayer" at 338.174,46.875 h1.52
  text "Via" at 373.216,46.875 h1.52
  text "Rounded" at 388.198,46.875 h1.52
  text "v80h50m0mx0" at 415.876,46.875 h1.52
  text "-" at 534.257,46.875 h1.52
  text "-" at 562.188,46.875 h1.52
  text "8" at 260.726,43.065 h1.52
  text "3.200mm (125.98mil)" at 277.485,43.065 h1.52
  text "PTH" at 306.687,43.065 h1.52
  text "Round" at 319.536,43.065 h1.52
  text "TopLayer - BottomLayer" at 338.174,43.065 h1.52
  text "Pad" at 373.216,43.065 h1.52
  text "Rounded" at 388.198,43.065 h1.52
  text "(Mixed)" at 415.876,43.065 h1.52
  text "-" at 534.257,43.065 h1.52
  text "-" at 562.188,43.065 h1.52
  text "F" at 247.138,42.811 h1.69
  text "10" at 260.726,39.255 h1.52
  text "0.850mm (33.47mil)" at 277.485,39.255 h1.52
  text "PTH" at 306.687,39.255 h1.52
  text "Round" at 319.536,39.255 h1.52
  text "TopLayer - BottomLayer" at 338.174,39.255 h1.52
  text "Pad" at 373.216,39.255 h1.52
  text "Rounded" at 388.198,39.255 h1.52
  text "c155h85" at 415.876,39.255 h1.52
  text "-" at 534.257,39.255 h1.52
  text "-" at 562.188,39.255 h1.52
  text "I" at 247.42,39.001 h1.69
  text "23" at 260.726,35.445 h1.52
  text "1.000mm (39.37mil)" at 277.485,35.445 h1.52
  text "PTH" at 306.687,35.445 h1.52
  text "Round" at 319.536,35.445 h1.52
  text "TopLayer - BottomLayer" at 338.174,35.445 h1.52
  text "Pad" at 373.216,35.445 h1.52
  text "(Mixed)" at 388.198,35.445 h1.52
  text "(Mixed)" at 415.876,35.445 h1.52
  text "-" at 534.257,35.445 h1.52
  text "-" at 562.188,35.445 h1.52
  text "30" at 260.726,31.635 h1.52
  text "1.050mm (41.34mil)" at 277.485,31.635 h1.52
  text "PTH" at 306.687,31.635 h1.52
  text "Round" at 319.536,31.635 h1.52
  text "TopLayer - BottomLayer" at 338.174,31.635 h1.52
  text "Pad" at 373.216,31.635 h1.52
  text "Rectangle" at 388.198,31.635 h1.52
  text "s175h105(Tol5-5)" at 415.876,31.635 h1.52
  text "0.050mm (1.97mil)" at 466.509,31.635 h1.52
  text "0.050mm (1.97mil)" at 500.383,31.635 h1.52
  text "-" at 534.257,31.635 h1.52
  text "-" at 562.188,31.635 h1.52
  text "80" at 260.726,27.825 h1.52
  text "0.600mm (23.62mil)" at 277.485,27.825 h1.52
  text "PTH" at 306.687,27.825 h1.52
  text "Round" at 319.536,27.825 h1.52
  text "TopLayer - BottomLayer" at 338.174,27.825 h1.52
  text "Pad" at 373.216,27.825 h1.52
  text "Rounded" at 388.198,27.825 h1.52
  text "c110h60(Tol5-5)" at 415.876,27.825 h1.52
  text "0.050mm (1.97mil)" at 466.509,27.825 h1.52
  text "0.050mm (1.97mil)" at 500.383,27.825 h1.52
  text "-" at 534.257,27.825 h1.52
  text "-" at 562.188,27.825 h1.52
  text "A" at 247.138,27.571 h1.69
  text "288" at 260.726,24.015 h1.52
  text "0.300mm (11.81mil)" at 277.485,24.015 h1.52
  text "PTH" at 306.687,24.015 h1.52
  text "Round" at 319.536,24.015 h1.52
  text "TopLayer - BottomLayer" at 338.174,24.015 h1.52
  text "Via" at 373.216,24.015 h1.52
  text "Rounded" at 388.198,24.015 h1.52
  text "(Mixed)" at 415.876,24.015 h1.52
  text "-" at 534.257,24.015 h1.52
  text "-" at 562.188,24.015 h1.52
  text "528" at 260.726,20.205 h1.52
  text "0.500mm (19.69mil)" at 277.485,20.205 h1.52
  text "PTH" at 306.687,20.205 h1.52
  text "Round" at 319.536,20.205 h1.52
  text "TopLayer - BottomLayer" at 338.174,20.205 h1.52
  text "Pad" at 373.216,20.205 h1.52
  text "Rounded" at 388.198,20.205 h1.52
  text "c110h50(Tol5-5)" at 415.876,20.205 h1.52
  text "0.050mm (1.97mil)" at 466.509,20.205 h1.52
  text "0.050mm (1.97mil)" at 500.383,20.205 h1.52
  text "-" at 534.257,20.205 h1.52
  text "-" at 562.188,20.205 h1.52
  text "2354" at 260.726,16.395 h1.52
  text "0.200mm (7.87mil)" at 277.485,16.395 h1.52
  text "PTH" at 306.687,16.395 h1.52
  text "Round" at 319.536,16.395 h1.52
  text "TopLayer - BottomLayer" at 338.174,16.395 h1.52
  text "Via" at 373.216,16.395 h1.52
  text "Rounded" at 388.198,16.395 h1.52
  text "(Mixed)" at 415.876,16.395 h1.52
  text "-" at 534.257,16.395 h1.52
  text "-" at 562.188,16.395 h1.52
  text "3353 Total" at 260.726,12.585 h1.52
  text "Slot definitions :" at 247.876,8.903 h1.52
  text "Routed Path Length" at 274.107,8.903 h1.52
  text "= Calculated from tool start centre position to tool end centre position." at 302.115,8.903 h1.52
  text "Hole Length" at 274.107,6.363 h1.52
  text "= Routed Path Length + Tool Size = Slot length as defined in the PCB layout" at 291.704,6.363 h1.52

## Dimensions
-0.508,5.512 to 0,0 on Mechanical4
3.556,-0.508 to 0,0 on Mechanical4

## Text inside footprints (layer, text, board x,y; h text height)
IC4: Mechanical14 "24" at 151.4,68 h0.6 r90; Mechanical14 "34" at 161.4,68 h0.6 r90; Mechanical14 "33" at 160.4,68 h0.6 r90; Mechanical14 "32" at 159.4,68 h0.6 r90; Mechanical14 "31" at 158.4,68 h0.6 r90; Mechanical14 "30" at 157.4,68 h0.6 r90; Mechanical14 "29" at 156.4,68 h0.6 r90; Mechanical14 "28" at 155.4,68 h0.6 r90; Mechanical14 "27" at 154.4,68 h0.6 r90; Mechanical14 "26" at 153.4,68 h0.6 r90; Mechanical14 "25" at 152.4,68 h0.6 r90; Mechanical14 "23" at 150.4,68 h0.6 r90; Mechanical14 "2" at 129.45,68 h0.6 r90; Mechanical14 "3" at 130.45,68 h0.6 r90; Mechanical14 "4" at 131.45,68 h0.6 r90; Mechanical14 "5" at 132.45,68 h0.6 r90; Mechanical14 "16" at 143.45,68 h0.6 r90; Mechanical14 "15" at 142.45,68 h0.6 r90; Mechanical14 "14" at 141.45,68 h0.6 r90; Mechanical14 "13" at 140.45,68 h0.6 r90; Mechanical14 "12" at 139.45,68 h0.6 r90; Mechanical14 "11" at 138.45,68 h0.6 r90; Mechanical14 "10" at 137.45,68 h0.6 r90; Mechanical14 "9" at 136.45,68 h0.6 r90; Mechanical14 "8" at 135.45,68 h0.6 r90; Mechanical14 "7" at 134.45,68 h0.6 r90; Mechanical14 "6" at 133.45,68 h0.6 r90; Mechanical14 "1" at 128.45,68 h0.6 r90; Mechanical14 "18" at 145.45,68 h0.6 r90; Mechanical14 "19" at 146.45,68 h0.6 r90; Mechanical14 "20" at 147.45,68 h0.6 r90; Mechanical14 "21" at 148.45,68 h0.6 r90; Mechanical14 "22" at 149.4,68 h0.6 r90; Mechanical14 "17" at 144.45,68 h0.6 r90; Mechanical14 "AB" at 125.8,45.2 h0.6; Mechanical14 "AA" at 125.8,46.2 h0.6; Mechanical14 "Y" at 126.3,47.2 h0.6; Mechanical14 "W" at 126.3,48.2 h0.6; Mechanical14 "V" at 126.3,49.2 h0.6; Mechanical14 "U" at 126.3,50.2 h0.6; Mechanical14 "T" at 126.3,51.2 h0.6; Mechanical14 "R" at 126.3,52.2 h0.6; Mechanical14 "P" at 126.3,53.2 h0.6; Mechanical14 "N" at 126.3,54.2 h0.6; Mechanical14 "M" at 126.3,55.2 h0.6; Mechanical14 "L" at 126.3,56.2 h0.6; Mechanical14 "K" at 126.3,57.2 h0.6; Mechanical14 "J" at 126.3,58.2 h0.6; Mechanical14 "H" at 126.3,59.2 h0.6; Mechanical14 "G" at 126.3,60.2 h0.6; Mechanical14 "F" at 126.3,61.2 h0.6; Mechanical14 "E" at 126.3,62.2 h0.6; Mechanical14 "D" at 126.3,63.2 h0.6; Mechanical14 "C" at 126.3,64.2 h0.6; Mechanical14 "B" at 126.3,65.2 h0.6; Mechanical14 "A" at 126.3,66.2 h0.6; Mechanical14 "AC" at 125.8,44.2 h0.6; Mechanical14 "AD" at 125.8,43.2 h0.6; Mechanical14 "AE" at 125.8,42.2 h0.6; Mechanical14 "AF" at 125.8,41.2 h0.6; Mechanical14 "AG" at 125.8,40.2 h0.6; Mechanical14 "AH" at 125.8,39.2 h0.6; Mechanical14 "AJ" at 125.8,38.2 h0.6; Mechanical14 "AK" at 125.8,37.2 h0.6; Mechanical14 "AL" at 125.8,36.2 h0.6; Mechanical14 "AM" at 125.8,35.2 h0.6; Mechanical14 "AN" at 125.8,34.2 h0.6; Mechanical14 "AP" at 125.8,33.2 h0.6
IC8: Mechanical14 "L" at 93.8,42.675 h0.4; Mechanical14 "K" at 93.8,43.475 h0.4; Mechanical14 "M" at 93.8,41.875 h0.4; Mechanical14 "H" at 93.8,45.075 h0.4; Mechanical14 "G" at 93.8,45.875 h0.4; Mechanical14 "F" at 93.8,46.675 h0.4; Mechanical14 "E" at 93.8,47.475 h0.4; Mechanical14 "D" at 93.8,48.275 h0.4; Mechanical14 "C" at 93.8,49.075 h0.4; Mechanical14 "B" at 93.8,49.875 h0.4; Mechanical14 "N" at 93.8,41.075 h0.4; Mechanical14 "P" at 93.8,40.275 h0.4; Mechanical14 "R" at 93.8,39.475 h0.4; Mechanical14 "J" at 93.8,44.275 h0.4; Mechanical14 "T" at 93.8,38.675 h0.4; Mechanical14 "1" at 95.075,52.15 h0.4; Mechanical14 "2" at 95.875,52.15 h0.4; Mechanical14 "3" at 96.675,52.15 h0.4; Mechanical14 "7" at 99.875,52.15 h0.4; Mechanical14 "8" at 100.675,52.15 h0.4; Mechanical14 "9" at 101.475,52.15 h0.4
IC36: Mechanical14 "L" at 107.025,42.675 h0.4; Mechanical14 "K" at 107.025,43.475 h0.4; Mechanical14 "M" at 107.025,41.875 h0.4; Mechanical14 "H" at 107.025,45.075 h0.4; Mechanical14 "G" at 107.025,45.875 h0.4; Mechanical14 "F" at 107.025,46.675 h0.4; Mechanical14 "E" at 107.025,47.475 h0.4; Mechanical14 "D" at 107.025,48.275 h0.4; Mechanical14 "C" at 107.025,49.075 h0.4; Mechanical14 "B" at 107.025,49.875 h0.4; Mechanical14 "N" at 107.025,41.075 h0.4; Mechanical14 "P" at 107.025,40.275 h0.4; Mechanical14 "R" at 107.025,39.475 h0.4; Mechanical14 "J" at 107.025,44.275 h0.4; Mechanical14 "T" at 107.025,38.675 h0.4; Mechanical14 "1" at 108.3,52.15 h0.4; Mechanical14 "2" at 109.1,52.15 h0.4; Mechanical14 "3" at 109.9,52.15 h0.4; Mechanical14 "7" at 113.1,52.15 h0.4; Mechanical14 "8" at 113.9,52.15 h0.4; Mechanical14 "9" at 114.7,52.15 h0.4
J3: TopOverlay "4" at 169.958,14.375 h1 r180; TopOverlay "1" at 178.417,4.593 h1 r180; Mechanical14 "4" at 169.958,14.375 h1 r180; Mechanical14 "1" at 178.417,4.593 h1 r180
J11: TopOverlay "1" at 197.989,81.15 h1 r90; TopOverlay "2" at 197.989,83.15 h1 r90; TopOverlay "3" at 197.989,85.15 h1 r90; TopOverlay "4" at 197.989,87.15 h1 r90; TopOverlay "5" at 197.989,89.15 h1 r90; TopOverlay "6" at 197.989,91.15 h1 r90; TopOverlay "7" at 197.989,93.15 h1 r90; TopOverlay "8" at 197.989,95.15 h1 r90; DrillDrawing "Diam. 0.5mm +/-0.05" at 201.689,50.335 h1; DrillDrawing "PRESS-FIT TECHNOLOGY" at 201.689,48.835 h1; Mechanical14 "1" at 197.989,81.15 h1 r90; Mechanical14 "L" at 203.039,79.3 h1 r90; Mechanical14 "2" at 197.989,83.15 h1 r90; Mechanical14 "K" at 204.439,79.3 h1 r90; Mechanical14 "J" at 205.839,79.3 h1 r90; Mechanical14 "3" at 197.989,85.15 h1 r90; Mechanical14 "4" at 197.989,87.15 h1 r90; Mechanical14 "I" at 207.239,79.55 h1 r90; Mechanical14 "H" at 208.639,79.3 h1 r90; Mechanical14 "G" at 210.039,79.3 h1 r90; Mechanical14 "5" at 197.989,89.15 h1 r90; Mechanical14 "6" at 197.989,91.15 h1 r90; Mechanical14 "7" at 197.989,93.15 h1 r90; Mechanical14 "8" at 197.989,95.15 h1 r90; Mechanical14 "F" at 211.439,79.3 h1 r90; Mechanical14 "E" at 212.839,79.3 h1 r90; Mechanical14 "D" at 214.239,79.3 h1 r90; Mechanical14 "C" at 215.639,78.3 h1 r90; Mechanical14 "B" at 217.039,78.3 h1 r90; Mechanical14 "A" at 218.439,78.3 h1 r90; Mechanical8 "Top Surface of Mother Board" at 232.289,84.125 h0.5 r90; Mechanical8 "Edge of Daugher Card" at 220.789,85.275 h0.5 r90
J12: TopOverlay "8" at 197.989,66.15 h1 r90; TopOverlay "7" at 197.989,64.15 h1 r90; TopOverlay "6" at 197.989,62.15 h1 r90; TopOverlay "5" at 197.989,60.15 h1 r90; TopOverlay "4" at 197.989,58.15 h1 r90; TopOverlay "3" at 197.989,56.15 h1 r90; TopOverlay "2" at 197.989,54.15 h1 r90; TopOverlay "1" at 197.989,52.15 h1 r90; Mechanical14 "A" at 218.439,50.3 h1 r90; Mechanical14 "B" at 217.039,50.3 h1 r90; Mechanical14 "C" at 215.639,50.3 h1 r90; Mechanical14 "D" at 214.239,50.3 h1 r90; Mechanical14 "E" at 212.839,50.3 h1 r90; Mechanical14 "F" at 211.439,50.3 h1 r90; Mechanical14 "8" at 197.989,66.15 h1 r90; Mechanical14 "7" at 197.989,64.15 h1 r90; Mechanical14 "6" at 197.989,62.15 h1 r90; Mechanical14 "5" at 197.989,60.15 h1 r90; Mechanical14 "G" at 210.039,50.3 h1 r90; Mechanical14 "H" at 208.639,50.3 h1 r90; Mechanical14 "I" at 207.239,50.55 h1 r90; Mechanical14 "4" at 197.989,58.15 h1 r90; Mechanical14 "3" at 197.989,56.15 h1 r90; Mechanical14 "J" at 205.839,50.3 h1 r90; Mechanical14 "K" at 204.439,50.3 h1 r90; Mechanical14 "2" at 197.989,54.15 h1 r90; Mechanical14 "L" at 203.039,50.3 h1 r90; Mechanical14 "1" at 197.989,52.15 h1 r90; Mechanical8 "Edge of Daugher Card" at 220.789,56.275 h0.5 r90; Mechanical8 "Top Surface of Mother Board" at 232.289,55.125 h0.5 r90
J14: TopOverlay "1" at 197.989,4.15 h1 r90; TopOverlay "L" at 203.039,2.3 h1 r90; TopOverlay "2" at 197.989,6.15 h1 r90; TopOverlay "K" at 204.439,2.3 h1 r90; TopOverlay "J" at 205.839,2.3 h1 r90; TopOverlay "I" at 207.239,2.55 h1 r90; TopOverlay "H" at 208.639,2.3 h1 r90; TopOverlay "G" at 210.039,2.3 h1 r90; TopOverlay "F" at 211.439,2.3 h1 r90; TopOverlay "3" at 197.989,7.9 h1 r90; TopOverlay "4" at 197.953,9.975 h1 r90; TopOverlay "5" at 197.975,11.55 h1 r90; TopOverlay "6" at 197.975,14.075 h1 r90; TopOverlay "E" at 212.839,2.3 h1 r90; TopOverlay "D" at 214.239,2.3 h1 r90; TopOverlay "C" at 215.639,1.3 h1 r90; TopOverlay "B" at 217.039,1.3 h1 r90; TopOverlay "A" at 218.439,1.3 h1 r90; Mechanical14 "L" at 203.039,2.3 h1 r90; Mechanical14 "2" at 197.989,6.15 h1 r90; Mechanical14 "1" at 197.989,4.15 h1 r90; Mechanical14 "K" at 204.439,2.3 h1 r90; Mechanical14 "J" at 205.839,2.3 h1 r90; Mechanical14 "I" at 207.239,2.55 h1 r90; Mechanical14 "H" at 208.639,2.3 h1 r90; Mechanical14 "G" at 210.039,2.3 h1 r90; Mechanical14 "F" at 211.439,2.3 h1 r90; Mechanical14 "3" at 197.989,8.15 h1 r90; Mechanical14 "4" at 197.989,10.15 h1 r90; Mechanical14 "5" at 197.989,12.15 h1 r90; Mechanical14 "6" at 197.989,14.15 h1 r90; Mechanical14 "E" at 212.839,2.3 h1 r90; Mechanical14 "D" at 214.239,2.3 h1 r90; Mechanical14 "C" at 215.639,1.3 h1 r90; Mechanical14 "B" at 217.039,1.3 h1 r90; Mechanical14 "A" at 218.439,1.3 h1 r90; Mechanical8 "Edge of Daugher Card" at 220.789,6.275 h0.5 r90; Mechanical8 "Top Surface of Mother Board" at 232.289,5.125 h0.5 r90
J19: DrillDrawing "PRESS-FIT" at 19.8,19.105 h1; DrillDrawing "30x diam. 1.05mm +/-0.05" at 17.55,15.355 h1; DrillDrawing "TECHNOLOGY" at 19.05,17.355 h1; DrillDrawing "80x diam. 0.6mm +/-0.05" at 17.55,21.355 h1; Mechanical14 "T1" at 50.55,21.855 h1; Mechanical14 "B1" at 49.3,11.605 h1; Mechanical14 "B1" at 49.3,25.855 h1; Mechanical14 "T1" at 50.55,36.105 h1; Mechanical8 "Component and Trace Keep-Out / Except Cage Chassis Ground" at 11.05,12.605 h1 r90
J21: TopOverlay "1" at 164.872,18.665 h1 r270; Mechanical14 "1" at 164.872,18.665 h1 r270
J23: DrillDrawing "0.85" at -5.266,69.252 h1 r270; DrillDrawing "1.87" at -2.661,68.109 h1; DrillDrawing "r0.2" at 2.914,65.234 h1 r270; Mechanical8 "PCB end" at -3.425,72.05 h0.5 r270
J24: TopOverlay "1" at 23.634,95.596 h1.2 r180; Mechanical14 "1" at 23.634,95.596 h1.2 r180
J29: TopOverlay "8" at 197.989,47.15 h1 r90; TopOverlay "7" at 197.989,45.15 h1 r90; TopOverlay "6" at 197.989,43.15 h1 r90; TopOverlay "5" at 197.989,41.15 h1 r90; TopOverlay "4" at 197.989,39.15 h1 r90; TopOverlay "3" at 197.989,37.15 h1 r90; TopOverlay "2" at 197.989,35.15 h1 r90; TopOverlay "1" at 197.989,33.15 h1 r90; Mechanical14 "A" at 218.439,31.3 h1 r90; Mechanical14 "B" at 217.039,31.3 h1 r90; Mechanical14 "C" at 215.639,31.3 h1 r90; Mechanical14 "D" at 214.239,31.3 h1 r90; Mechanical14 "E" at 212.839,31.3 h1 r90; Mechanical14 "F" at 211.439,31.3 h1 r90; Mechanical14 "8" at 197.989,47.15 h1 r90; Mechanical14 "7" at 197.989,45.15 h1 r90; Mechanical14 "6" at 197.989,43.15 h1 r90; Mechanical14 "5" at 197.989,41.15 h1 r90; Mechanical14 "G" at 210.039,31.3 h1 r90; Mechanical14 "H" at 208.639,31.3 h1 r90; Mechanical14 "I" at 207.239,31.55 h1 r90; Mechanical14 "4" at 197.989,39.15 h1 r90; Mechanical14 "3" at 197.989,37.15 h1 r90; Mechanical14 "J" at 205.839,31.3 h1 r90; Mechanical14 "K" at 204.439,31.3 h1 r90; Mechanical14 "2" at 197.989,35.15 h1 r90; Mechanical14 "L" at 203.039,31.3 h1 r90; Mechanical14 "1" at 197.989,33.15 h1 r90; Mechanical8 "Edge of Daugher Card" at 220.789,37.275 h0.5 r90; Mechanical8 "Top Surface of Mother Board" at 232.289,36.125 h0.5 r90
J31: TopOverlay "1" at 197.989,68.15 h1 r90; TopOverlay "2" at 197.989,70.15 h1 r90; TopOverlay "3" at 197.989,72.15 h1 r90; TopOverlay "5" at 197.989,76.15 h1 r90; TopOverlay "6" at 197.989,78.15 h1 r90; TopOverlay "4" at 197.989,74.15 h1 r90; Mechanical14 "L" at 203.039,66.3 h1 r90; Mechanical14 "2" at 197.989,70.15 h1 r90; Mechanical14 "1" at 197.989,68.15 h1 r90; Mechanical14 "J" at 205.839,66.3 h1 r90; Mechanical14 "K" at 204.439,66.3 h1 r90; Mechanical14 "3" at 197.989,72.15 h1 r90; Mechanical14 "I" at 207.239,66.55 h1 r90; Mechanical14 "H" at 208.639,66.3 h1 r90; Mechanical14 "G" at 210.039,66.3 h1 r90; Mechanical14 "4" at 197.989,74.15 h1 r90; Mechanical14 "5" at 197.989,76.15 h1 r90; Mechanical14 "6" at 197.989,78.15 h1 r90; Mechanical14 "E" at 212.839,66.3 h1 r90; Mechanical14 "F" at 211.439,66.3 h1 r90; Mechanical14 "D" at 214.239,66.3 h1 r90; Mechanical14 "B" at 217.039,66.3 h1 r90; Mechanical14 "C" at 215.639,66.3 h1 r90; Mechanical14 "A" at 218.439,66.3 h1 r90; Mechanical8 "Edge of Daugher Card" at 220.789,70.275 h0.5 r90; Mechanical8 "Top Surface of Mother Board" at 232.289,69.125 h0.5 r90